# Altium PCB AVR64DA64-BREAKOUT.PcbDoc (part 2 of 4) (continued)
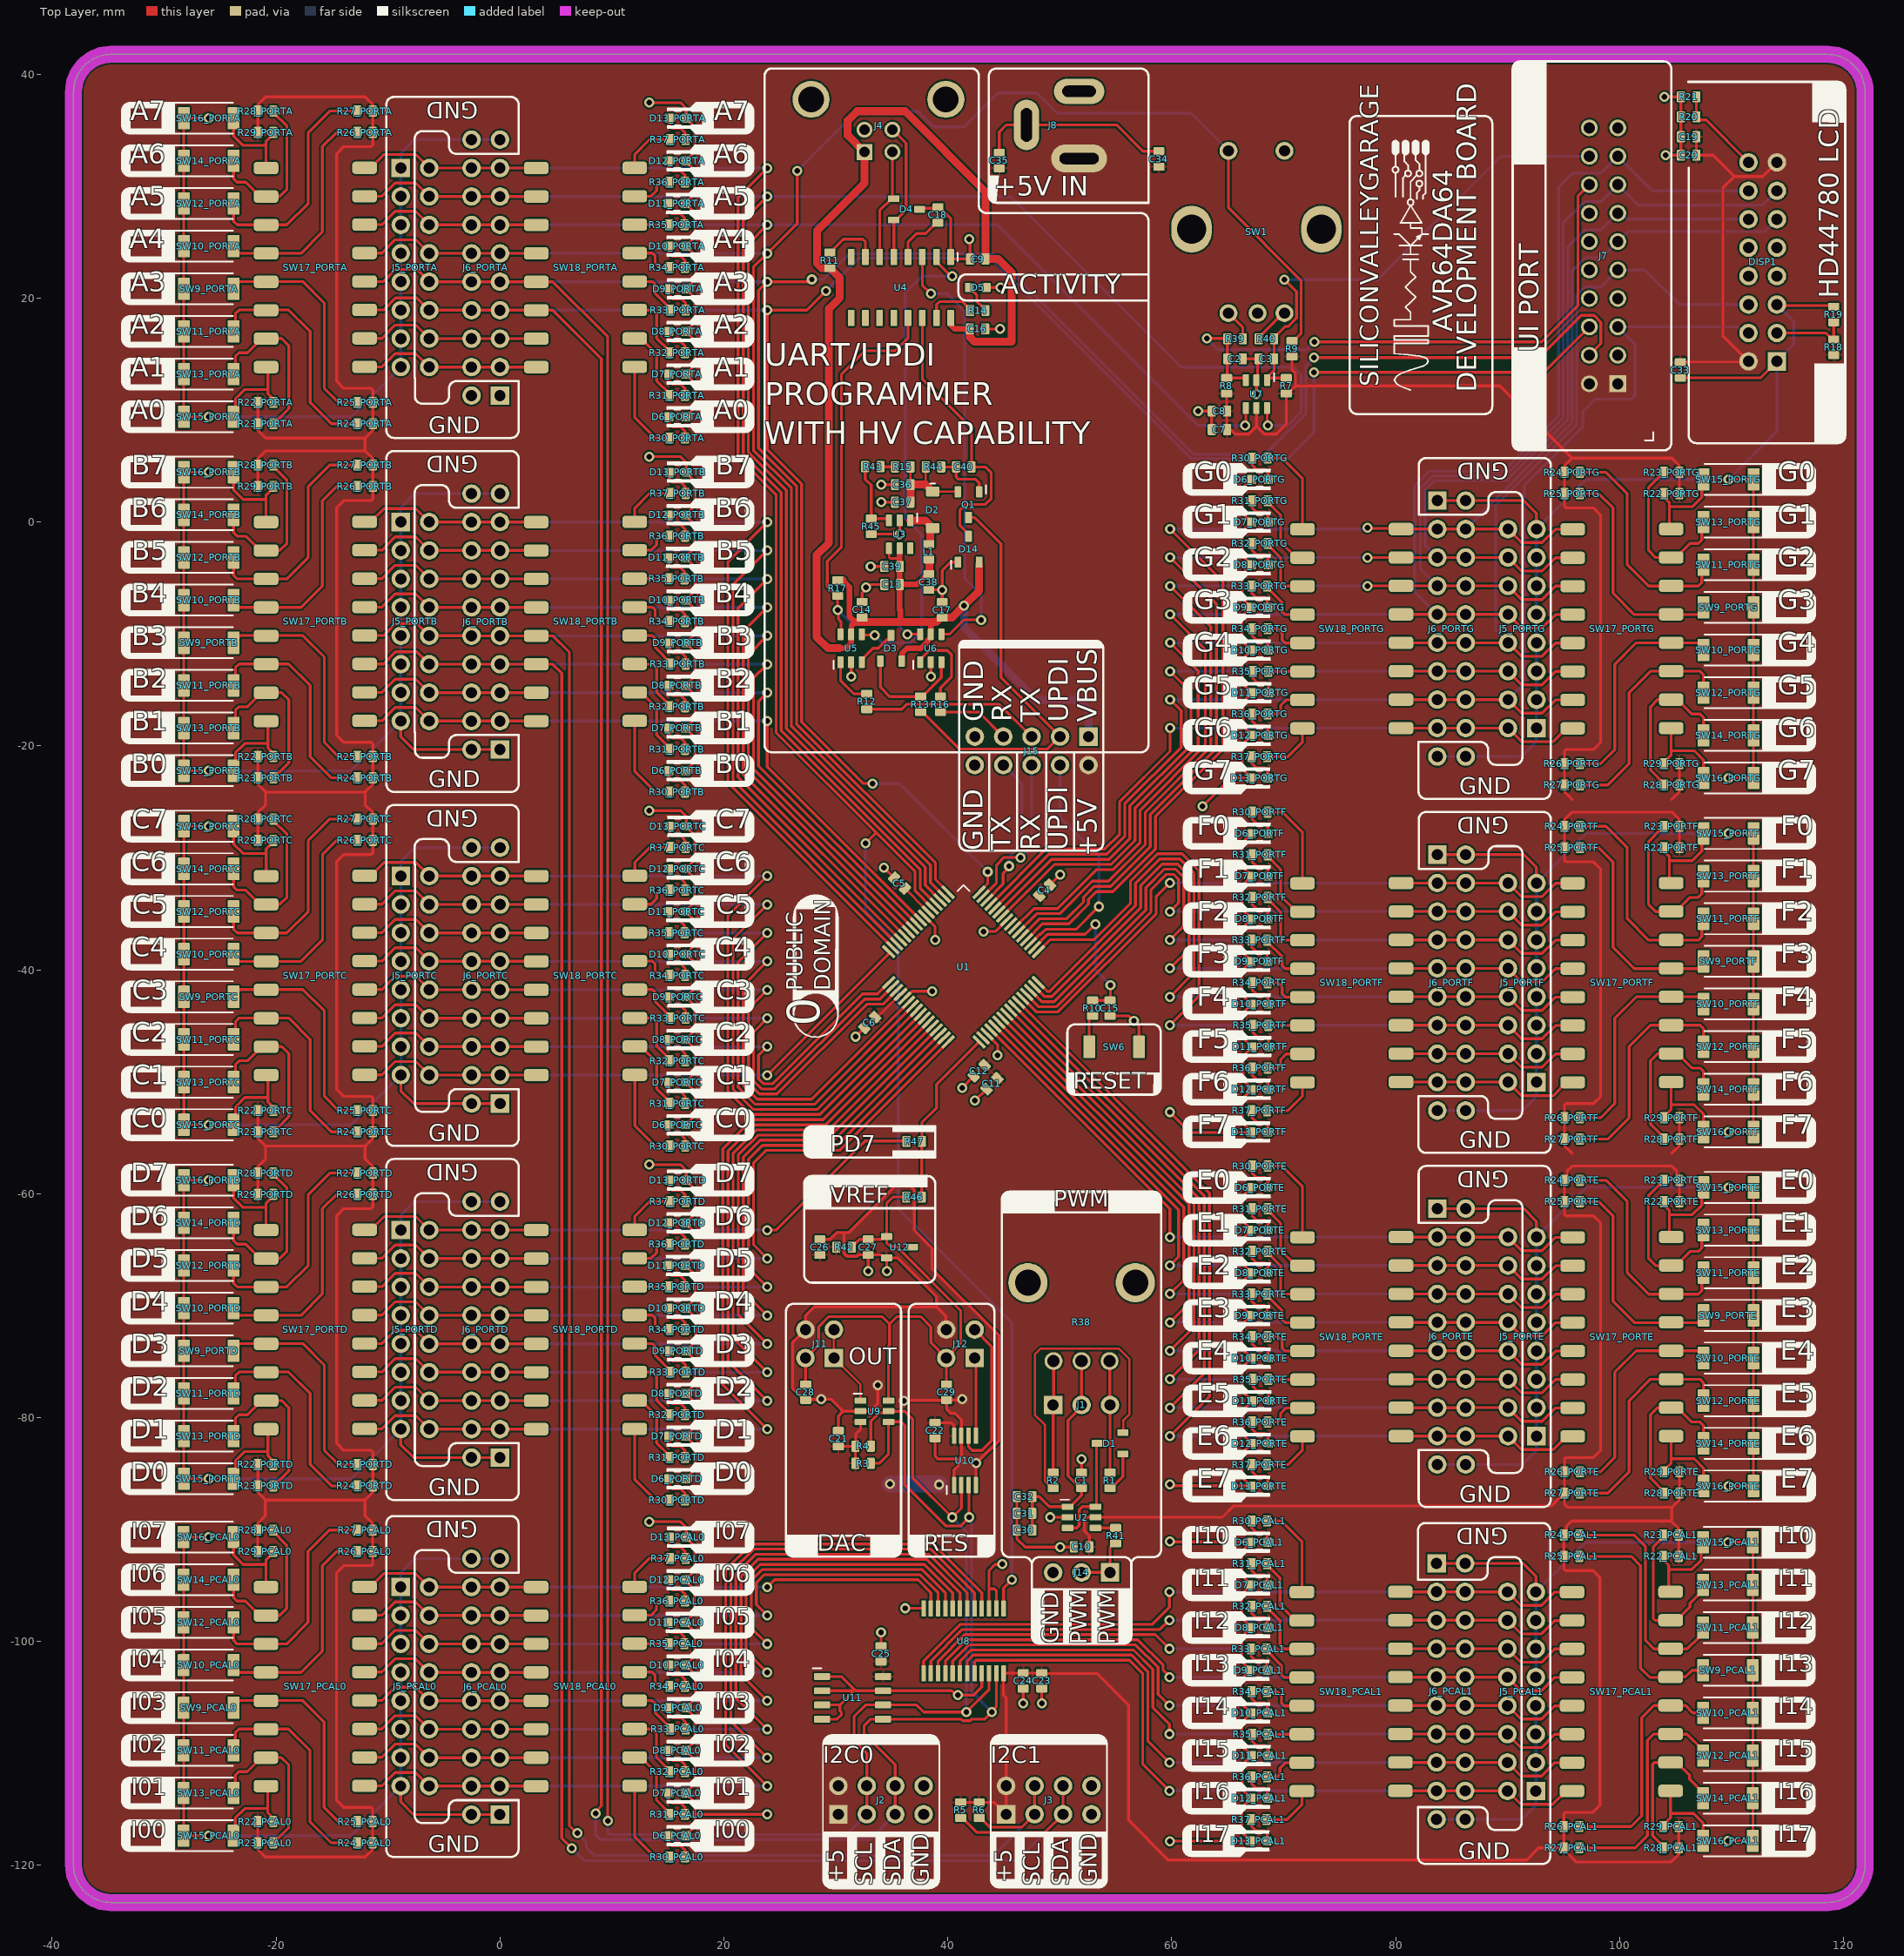
[diagram p0: Top Layer view]
## Nets (pads, with @x,y where several pads share a name; then routed paths per layer and width w, separated by ;. In a path a pad name is that pad's centre, name@x,y a point inside that pad or via, vN(x,y) a via of type N, cw(c..) or ccw(c..) an arc to the next point about the centre after c; other vN are vias at no path point) (continued)
GND: C1.2 C2.2 C3.2 C4.2 C5.2 C6.2 C7.2 C8.2 C9.2 C10.2 C11.2 C12.2 C13.2 C14.2 C15.1 C16.2 C17.2 C18.2 C19.2 C20.2 C21.2 C22.2 C23.2 C24.2 C25.2 C26.2 C27.2 C28.1 C29.2 C30.2 C31.2 C32.2 C33.2 C34.2 C35.2 C36.2 C37.2 C38.2 C39.2 D4.3 D5.1 D6_PCAL0.1 D6_PCAL1.1 D6_PORTA.1 D6_PORTB.1 D6_PORTC.1 D6_PORTD.1 D6_PORTE.1 D6_PORTF.1 D6_PORTG.1 D7_PCAL0.1 D7_PCAL1.1 D7_PORTA.1 D7_PORTB.1 D7_PORTC.1 D7_PORTD.1 D7_PORTE.1 D7_PORTF.1 D7_PORTG.1 D8_PCAL0.1 D8_PCAL1.1 D8_PORTA.1 D8_PORTB.1 D8_PORTC.1 D8_PORTD.1 D8_PORTE.1 D8_PORTF.1 D8_PORTG.1 D9_PCAL0.1 D9_PCAL1.1 D9_PORTA.1 D9_PORTB.1 D9_PORTC.1 D9_PORTD.1 D9_PORTE.1 D9_PORTF.1 D9_PORTG.1 D10_PCAL0.1 D10_PCAL1.1 D10_PORTA.1 D10_PORTB.1 D10_PORTC.1 D10_PORTD.1 D10_PORTE.1 D10_PORTF.1 D10_PORTG.1 D11_PCAL0.1 D11_PCAL1.1 D11_PORTA.1 D11_PORTB.1 D11_PORTC.1 D11_PORTD.1 D11_PORTE.1 D11_PORTF.1 D11_PORTG.1 D12_PCAL0.1 D12_PCAL1.1 D12_PORTA.1 D12_PORTB.1 D12_PORTC.1 D12_PORTD.1 D12_PORTE.1 D12_PORTF.1 D12_PORTG.1 D13_PCAL0.1 D13_PCAL1.1 D13_PORTA.1 D13_PORTB.1 D13_PORTC.1 D13_PORTD.1 D13_PORTE.1 D13_PORTF.1 D13_PORTG.1 D14.1 DISP1.1 DISP1.5 J2.7 J2.8 J3.7 J3.8 J4.4 J4.SH1 J4.SH2 J5_PCAL0.1 J5_PCAL0.3 J5_PCAL0.5 J5_PCAL0.7 J5_PCAL0.9 J5_PCAL0.11 J5_PCAL0.13 J5_PCAL0.15 J5_PCAL1.1 J5_PCAL1.3 J5_PCAL1.5 J5_PCAL1.7 J5_PCAL1.9 J5_PCAL1.11 J5_PCAL1.13 J5_PCAL1.15 J5_PORTA.1 J5_PORTA.3 J5_PORTA.5 J5_PORTA.7 J5_PORTA.9 J5_PORTA.11 J5_PORTA.13 J5_PORTA.15 J5_PORTB.1 J5_PORTB.3 J5_PORTB.5 J5_PORTB.7 J5_PORTB.9 J5_PORTB.11 J5_PORTB.13 J5_PORTB.15 J5_PORTC.1 J5_PORTC.3 J5_PORTC.5 J5_PORTC.7 J5_PORTC.9 J5_PORTC.11 J5_PORTC.13 J5_PORTC.15 J5_PORTD.1 J5_PORTD.3 J5_PORTD.5 J5_PORTD.7 J5_PORTD.9 J5_PORTD.11 J5_PORTD.13 J5_PORTD.15 J5_PORTE.1 J5_PORTE.3 J5_PORTE.5 J5_PORTE.7 J5_PORTE.9 J5_PORTE.11 J5_PORTE.13 J5_PORTE.15 J5_PORTF.1 J5_PORTF.3 J5_PORTF.5 J5_PORTF.7 J5_PORTF.9 J5_PORTF.11 J5_PORTF.13 J5_PORTF.15 J5_PORTG.1 J5_PORTG.3 J5_PORTG.5 J5_PORTG.7 J5_PORTG.9 J5_PORTG.11 J5_PORTG.13 J5_PORTG.15 J6_PCAL0.1 J6_PCAL0.2 J6_PCAL0.19 J6_PCAL0.20 J6_PCAL1.1 J6_PCAL1.2 J6_PCAL1.19 J6_PCAL1.20 J6_PORTA.1 J6_PORTA.2 J6_PORTA.19 J6_PORTA.20 J6_PORTB.1 J6_PORTB.2 J6_PORTB.19 J6_PORTB.20 J6_PORTC.1 J6_PORTC.2 J6_PORTC.19 J6_PORTC.20 J6_PORTD.1 J6_PORTD.2 J6_PORTD.19 J6_PORTD.20 J6_PORTE.1 J6_PORTE.2 J6_PORTE.19 J6_PORTE.20 J6_PORTF.1 J6_PORTF.2 J6_PORTF.19 J6_PORTF.20 J6_PORTG.1 J6_PORTG.2 J6_PORTG.19 J6_PORTG.20 J7.19 J7.20 J8.2 J8.3 J11.4 J12.4 J14.3 J15.9 J15.10 R19.1 R20.1 R21.1 R45.1 SW1.2 SW1.C SW6.1 SW9_PCAL0.1 SW9_PCAL1.1 SW9_PORTA.1 SW9_PORTB.1 SW9_PORTC.1 SW9_PORTD.1 SW9_PORTE.1 SW9_PORTF.1 SW9_PORTG.1 SW10_PCAL0.2 SW10_PCAL1.2 SW10_PORTA.2 SW10_PORTB.2 SW10_PORTC.2 SW10_PORTD.2 SW10_PORTE.2 SW10_PORTF.2 SW10_PORTG.2 SW11_PCAL0.1 SW11_PCAL1.1 SW11_PORTA.1 SW11_PORTB.1 SW11_PORTC.1 SW11_PORTD.1 SW11_PORTE.1 SW11_PORTF.1 SW11_PORTG.1 SW12_PCAL0.2 SW12_PCAL1.2 SW12_PORTA.2 SW12_PORTB.2 SW12_PORTC.2 SW12_PORTD.2 SW12_PORTE.2 SW12_PORTF.2 SW12_PORTG.2 SW13_PCAL0.1 SW13_PCAL1.1 SW13_PORTA.1 SW13_PORTB.1 SW13_PORTC.1 SW13_PORTD.1 SW13_PORTE.1 SW13_PORTF.1 SW13_PORTG.1 SW14_PCAL0.2 SW14_PCAL1.2 SW14_PORTA.2 SW14_PORTB.2 SW14_PORTC.2 SW14_PORTD.2 SW14_PORTE.2 SW14_PORTF.2 SW14_PORTG.2 SW15_PCAL0.1 SW15_PCAL1.1 SW15_PORTA.1 SW15_PORTB.1 SW15_PORTC.1 SW15_PORTD.1 SW15_PORTE.1 SW15_PORTF.1 SW15_PORTG.1 SW16_PCAL0.2 SW16_PCAL1.2 SW16_PORTA.2 SW16_PORTB.2 SW16_PORTC.2 SW16_PORTD.2 SW16_PORTE.2 SW16_PORTF.2 SW16_PORTG.2 U1.7 U1.21 U1.35 U1.57 U2.2 U3.2 U4.1 U5.2 U6.2 U7.2 U8.2 U8.3 U8.12 U8.21 U9.2 U10.1 U10.4 U10.7 U11.1 U11.2 U11.3 U11.4 U11.7 U12.2 | length 1417.6
  Top Layer w0.254: v1(-26.031,-117.348) SW15_PCAL0.1@-28.256,-117.348 SW13_PCAL0.1@-28.256,-113.538 SW11_PCAL0.1@-28.256,-109.728 SW9_PCAL0.1@-28.256,-105.918 SW16_PCAL0.2@-28.256,-90.678 v1(-26.031,-90.678) ; v1(-26.019,-85.459) SW15_PORTD.1@-28.244,-85.459 SW13_PORTD.1@-28.244,-81.649 SW11_PORTD.1@-28.244,-77.839 SW9_PORTD.1@-28.244,-74.029 SW16_PORTD.2@-28.244,-58.789 v1(-26.019,-58.789) ; v1(-26.019,-22.213) SW15_PORTB.1@-28.244,-22.213 SW13_PORTB.1@-28.244,-18.403 SW11_PORTB.1@-28.244,-14.593 SW9_PORTB.1@-28.244,-10.783 SW16_PORTB.2@-28.244,4.457 v1(-26.019,4.457) ; v1(-26.019,9.41) SW15_PORTA.1@-28.244,9.41 SW13_PORTA.1@-28.244,13.22 SW11_PORTA.1@-28.244,17.03 SW9_PORTA.1@-28.244,20.84 SW16_PORTA.2@-28.244,36.08 v1(-26.019,36.08) ; v1(-26.015,-53.836) SW15_PORTC.1@-28.24,-53.836 SW13_PORTC.1@-28.24,-50.026 SW11_PORTC.1@-28.24,-46.216 SW9_PORTC.1@-28.24,-42.406 SW16_PORTC.2@-28.24,-27.166 v1(-26.015,-27.166) ; J5_PCAL0.15@-8.874,-112.91 -8.874,-114.312 -7.731,-115.455 J6_PCAL0.2@-2.552,-115.455 J6_PCAL0.1@-0.012,-115.455 ; J5_PORTD.15@-8.862,-81.021 -8.862,-82.423 -7.719,-83.566 J6_PORTD.2@-2.54,-83.566 J6_PORTD.1@0,-83.566 ; J5_PORTB.15@-8.862,-17.775 -8.862,-19.177 -7.719,-20.32 J6_PORTB.2@-2.54,-20.32 J6_PORTB.1@0,-20.32 ; J5_PORTC.15@-8.858,-49.398 -8.858,-50.8 -7.715,-51.943 J6_PORTC.2@-2.536,-51.943 J6_PORTC.1@0.004,-51.943 ; v1(13.323,-89.293) 16.117,-89.293 16.629,-89.805 D13_PCAL0.1@16.629,-90.678 ; v1(13.335,-57.404) 16.129,-57.404 16.641,-57.916 D13_PORTD.1@16.641,-58.789 ; v1(13.335,5.842) 16.129,5.842 16.641,5.33 D13_PORTB.1@16.641,4.457 ; v1(13.335,37.465) 16.129,37.465 16.641,36.953 D13_PORTA.1@16.641,36.08 ; v1(13.339,-25.781) 16.133,-25.781 16.645,-26.293 D13_PORTC.1@16.645,-27.166 ; D11_PCAL0.1@16.519,-98.298 17.348,-97.469 17.348,-95.317 D12_PCAL0.1@16.519,-94.488 ; D11_PORTD.1@16.531,-66.409 17.36,-65.58 17.36,-63.428 D12_PORTD.1@16.531,-62.599 ; D11_PORTB.1@16.531,-3.163 17.36,-2.334 17.36,-0.182 D12_PORTB.1@16.531,0.647 ; D11_PORTA.1@16.531,28.46 17.36,29.289 17.36,31.441 D12_PORTA.1@16.531,32.27 ; D11_PORTC.1@16.535,-34.786 17.364,-33.957 17.364,-31.805 D12_PORTC.1@16.535,-30.976 ; D6_PCAL0.1@16.574,-117.348 17.403,-116.519 17.403,-115.443 ; D9_PCAL0.1@16.574,-105.918 17.403,-106.747 17.403,-108.899 D8_PCAL0.1@16.574,-109.728 17.403,-110.557 17.403,-112.709 D7_PCAL0.1@16.574,-113.538 17.403,-114.367 17.403,-115.443 ; D10_PCAL0.1@16.574,-102.108 17.403,-101.279 17.403,-99.127 D11_PCAL0.1@16.574,-98.298 ; D12_PCAL0.1@16.574,-94.488 17.403,-93.659 17.403,-91.507 D13_PCAL0.1@16.574,-90.678 ; D6_PORTD.1@16.586,-85.459 17.415,-84.63 17.415,-82.478 D7_PORTD.1@16.586,-81.649 17.415,-80.82 17.415,-78.668 D8_PORTD.1@16.586,-77.839 17.415,-77.01 17.415,-74.858 D9_PORTD.1@16.586,-74.029 ; D10_PORTD.1@16.586,-70.219 17.415,-69.39 17.415,-67.238 D11_PORTD.1@16.586,-66.409 ; D12_PORTD.1@16.586,-62.599 17.415,-61.77 17.415,-59.618 D13_PORTD.1@16.586,-58.789 ; D6_PORTB.1@16.586,-22.213 17.415,-21.384 17.415,-19.232 D7_PORTB.1@16.586,-18.403 17.415,-17.574 17.415,-15.422 D8_PORTB.1@16.586,-14.593 17.415,-13.764 17.415,-11.612 D9_PORTB.1@16.586,-10.783 ; D10_PORTB.1@16.586,-6.973 17.415,-6.144 17.415,-3.992 D11_PORTB.1@16.586,-3.163 ; D12_PORTB.1@16.586,0.647 17.415,1.476 17.415,3.628 D13_PORTB.1@16.586,4.457 ; D6_PORTA.1@16.586,9.41 17.415,10.239 17.415,12.391 D7_PORTA.1@16.586,13.22 17.415,14.049 17.415,16.201 D8_PORTA.1@16.586,17.03 17.415,17.859 17.415,20.011 D9_PORTA.1@16.586,20.84 ; D10_PORTA.1@16.586,24.65 17.415,25.479 17.415,27.631 D11_PORTA.1@16.586,28.46 ; D12_PORTA.1@16.586,32.27 17.415,33.099 17.415,35.251 D13_PORTA.1@16.586,36.08 ; D6_PORTC.1@16.59,-53.836 17.419,-53.007 17.419,-50.855 D7_PORTC.1@16.59,-50.026 17.419,-49.197 17.419,-47.045 D8_PORTC.1@16.59,-46.216 17.419,-45.387 17.419,-43.235 D9_PORTC.1@16.59,-42.406 ; D10_PORTC.1@16.59,-38.596 17.419,-37.767 17.419,-35.615 D11_PORTC.1@16.59,-34.786 ; D12_PORTC.1@16.59,-30.976 17.419,-30.147 17.419,-27.995 D13_PORTC.1@16.59,-27.166 ; D9_PCAL0.1@16.629,-105.918 17.458,-105.089 17.458,-102.937 D10_PCAL0.1@16.629,-102.108 ; D9_PORTD.1@16.641,-74.029 17.47,-73.2 17.47,-71.048 D10_PORTD.1@16.641,-70.219 ; D9_PORTB.1@16.641,-10.783 17.47,-9.954 17.47,-7.802 D10_PORTB.1@16.641,-6.973 ; D9_PORTA.1@16.641,20.84 17.47,21.669 17.47,23.821 D10_PORTA.1@16.641,24.65 ; D9_PORTC.1@16.645,-42.406 17.474,-41.577 17.474,-39.425 D10_PORTC.1@16.645,-38.596 ; v1(23.876,-115.443) 17.403,-115.443 ; C26.2@28.575,-64.08 29.451,-64.08 30.055,-63.476 30.734,-63.476 ; U11.4@28.771,-106.934 30.099,-106.934 30.502,-106.531 30.502,-106.321 30.361,-106.18 30.361,-105.664 ; U11.3@28.771,-105.664 30.361,-105.664 ; U11.2@28.771,-104.394 31.496,-104.394 ; U11.1@28.771,-103.124 30.48,-103.124 31.604,-104.248 ; C21.2@30.225,-81.185 30.225,-79.85 30.65,-79.425 ; v1(31.362,-13.811) 31.362,-13.557 31.366,-13.553 U5.2@31.366,-12.521 ; v1(31.75,-45.974) C6.2@32.532,-45.192 ; C14.2@32.35,-7.135 32.35,-6.322 32.7,-5.972 v1(32.7,-5.85) 32.875,-5.85 33.15,-5.575 C13.2@34.335,-5.575 ; v1(32.893,-66.929) C27.2@32.893,-65.46 ; R45.1@33.15,-1.065 R45.1@33.285,-1.065 ; v1@33.25,-3.975 C39.2@34.335,-3.975 34.335,-3.84 C39.2@34.102,-3.607 ; R45.1@33.518,-1.298 R45.1@33.285,-1.065 ; v1(33.75,-77.1) 33.857,-77.207 33.857,-77.418 33.75,-77.525 33.75,-78.725 33.05,-79.425 U9.2@32.2,-79.425 30.65,-79.425 ; C25.2@34.036,-100.522 C25.2@34.036,-100.402 v1(34.036,-99.18) ; v1(34.05,1.775) 34.2,1.775 C37.2@35.285,1.775 ; v1@34.2,3.35 C36.2@35.285,3.35 ; v1(34.29,-30.861) C5.2@35.199,-31.77 ; v1@34.598,-66.929 v1(34.544,-66.929) 34.568,-66.905 34.568,-66.499 34.537,-66.468 U12.2@34.537,-65.724 ; U3.2@35.7,0.15 35.7,-0.876 35.501,-1.075 34.55,-1.075 34.54,-1.065 R45.1@33.285,-1.065 ; v1(36.075,-78.5) 36.118,-78.457 39.835,-78.457 C29.2@39.878,-78.414 ; U1.21@36.138,-42.544 36.166,-42.544 36.8,-41.91 v1(38.608,-41.91) ; v1(36.195,-97.028) 37.81,-97.028 U8.12@37.831,-97.049 ; D4.3@37.472,27.94 37.563,28.031 39.025,28.031 C18.2@39.116,28.122 39.251,28.122 40.259,27.114 U4.1@40.259,23.68 40.259,23.668 40.432,23.495 C9.2@41.982,23.495 41.982,25.201 v1(41.91,25.273) ; U1.7@37.906,-35.19 38.862,-36.146 v1(38.862,-37.338) ; C38.2@38.3,-6.04 38.312,-6.052 39.482,-6.052 v1(39.494,-6.064) ; v1(38.474,-13.811) 38.474,-13.684 38.478,-13.68 U6.2@38.478,-12.521 ; C22.2@38.862,-81.843 38.862,-83.439 39.116,-83.693 40.767,-83.693 41.148,-84.074 ; C17.2@39.49,-7.152 39.49,-6.068 v1(39.494,-6.064) ; J12.4@39.857,-72.133 39.812,-72.088 39.812,-70.927 38.989,-70.104 ; U10.1@40.554,-86.02 40.554,-84.668 41.148,-84.074 ; D14.1@40.9,-3.575 40.25,-3.575 39.494,-4.331 v1(39.494,-6.064) ; v1(41.275,-78.359) 41.22,-78.414 C29.2@39.878,-78.414 ; v1(41.275,-50.546) C12.2@42.311,-49.51 ; v1(42.418,-51.689) C11.2@43.454,-50.653 ; U10.4@42.504,-86.02 42.504,-84.115 v1(42.545,-84.074) ; U8.21@43.031,-102.849 43.031,-104.035 42.291,-104.775 v1(40.894,-104.775) 40.719,-104.775 40.338,-104.394 U11.7@34.221,-104.394 31.75,-104.394 31.604,-104.248 ; v1(43.18,-36.576) 44.227,-36.576 U1.57@45.26,-35.544 ; C16.2@43.34,17.25 v1(44.682,17.25) ; D5.1@43.422,20.955 v1(44.704,20.955) ; U1.35@43.492,-45.726 44.45,-46.684 v1(44.45,-47.625) ; U8.3@43.681,-97.049 43.681,-95.347 ; U8.2@44.331,-97.049 44.331,-95.456 44.175,-95.3 43.727,-95.3 43.681,-95.347 ; C35.2@44.6,32.99 44.6,34.85 45.225,35.475 J8.3@47.025,35.475 55.075,35.475 57.435,33.115 C34.2@58.85,33.115 ; v1(44.85,-93.075) 44.8,-93.125 44.2,-93.125 43.681,-93.644 43.681,-95.347 ; C32.2@46.16,-87.05 C31.2@46.16,-88.55 46.16,-90.81 46.917,-91.567 v1(50.038,-91.567) 51.224,-91.567 C10.2@51.253,-91.538 ; v1(46.732,-105.537) C24.2@46.732,-104.195 ; v1(48.387,-105.537) C23.2@48.387,-104.195 ; C4.2@49.129,-32.405 v1(50.038,-31.496) ; v1(49.149,-88.9) U2.2@50.693,-88.9 ; C1.2@51.943,-84.908 v1(51.943,-83.693) ; C15.1@54.479,-44.117 56.167,-44.117 v1(56.621,-44.571) 57.075,-45.025 SW6.1@57.075,-46.875 ; v1(59.817,-117.856) 59.847,-117.826 66.987,-117.826 D13_PCAL1.1@67.017,-117.796 ; v1(59.817,-91.059) 59.851,-91.093 67.038,-91.093 D6_PCAL1.1@67.072,-91.126 66.44,-91.758 66.243,-91.955 66.243,-94.107 D7_PCAL1.1@67.072,-94.936 66.243,-95.765 66.243,-97.917 D8_PCAL1.1@67.072,-98.746 66.243,-99.575 66.243,-101.727 66.243,-101.782 66.989,-102.528 D9_PCAL1.1@67.044,-102.528 ; v1(59.817,-85.979) 59.926,-86.088 67.054,-86.088 D13_PORTE.1@67.072,-86.106 ; v1(59.817,-52.705) 61.645,-54.533 D13_PORTF.1@66.967,-54.533 ; v1(62.35,9.906) C8.2@63.572,9.906 C7.2@63.572,8.255 ; v1(62.738,-25.4) 65.278,-22.86 D13_PORTG.1@67.072,-22.86 ; C2.2@66.349,14.585 C3.2@67.763,14.585 67.664,14.485 67.664,12.779 U7.2@67.564,12.68 v1(67.564,11.43) ; D13_PORTF.1@66.799,-54.811 66.799,-54.756 D13_PORTF.1@67.072,-54.483 67.127,-54.483 66.298,-53.654 66.298,-51.502 D12_PORTF.1@67.127,-50.673 ; D9_PCAL1.1@67.017,-102.556 66.188,-103.385 66.188,-105.537 66.479,-105.829 66.534,-105.829 67.044,-106.338 67.044,-106.394 66.44,-106.998 66.243,-107.195 66.243,-109.347 66.534,-109.639 66.589,-109.639 67.099,-110.149 67.099,-110.204 66.495,-110.808 66.298,-111.005 66.298,-113.212 67.044,-113.958 D12_PCAL1.1@67.099,-113.958 ; D13_PCAL1.1@67.044,-117.768 66.989,-117.768 66.243,-117.022 66.243,-114.815 D12_PCAL1.1@67.072,-113.986 ; D9_PORTE.1@67.072,-70.866 66.243,-71.695 66.243,-73.847 66.534,-74.139 66.589,-74.139 67.099,-74.649 67.099,-74.704 66.495,-75.308 66.298,-75.505 66.298,-77.657 66.589,-77.949 66.644,-77.949 67.154,-78.459 67.154,-78.514 66.55,-79.118 66.353,-79.315 66.353,-81.522 67.099,-82.268 D12_PORTE.1@67.154,-82.268 ; D10_PORTF.1@67.072,-43.053 66.243,-42.224 66.243,-40.072 D9_PORTF.1@67.072,-39.243 ; D10_PORTG.1@67.072,-11.43 66.243,-10.601 66.243,-8.449 D9_PORTG.1@67.072,-7.62 ; D13_PORTE.1@67.099,-86.079 67.044,-86.079 66.298,-85.332 66.298,-83.125 D12_PORTE.1@67.127,-82.296 ; D9_PORTE.1@67.099,-70.838 67.044,-70.838 66.298,-70.092 66.298,-67.885 D8_PORTE.1@67.127,-67.056 66.298,-66.227 66.298,-64.075 D7_PORTE.1@67.127,-63.246 66.298,-62.417 66.298,-60.265 D6_PORTE.1@67.127,-59.436 ; D11_PORTF.1@67.127,-46.863 66.298,-46.034 66.298,-43.882 D10_PORTF.1@67.127,-43.053 ; D9_PORTF.1@67.127,-39.243 66.298,-38.414 66.298,-36.262 D8_PORTF.1@67.127,-35.433 66.298,-34.604 66.298,-32.452 D7_PORTF.1@67.127,-31.623 66.298,-30.794 66.298,-28.642 D6_PORTF.1@67.127,-27.813 ; D13_PORTG.1@67.127,-22.86 66.298,-22.031 66.298,-19.879 D12_PORTG.1@67.127,-19.05 ; D11_PORTG.1@67.127,-15.24 66.298,-14.411 66.298,-12.259 D10_PORTG.1@67.127,-11.43 ; D9_PORTG.1@67.127,-7.62 66.298,-6.791 66.298,-4.639 D8_PORTG.1@67.127,-3.81 66.298,-2.981 66.298,-0.829 D7_PORTG.1@67.127,0 66.298,0.829 66.298,2.981 D6_PORTG.1@67.127,3.81 ; D12_PORTF.1@67.182,-50.673 66.353,-49.844 66.353,-47.692 D11_PORTF.1@67.182,-46.863 ; D12_PORTG.1@67.182,-19.05 66.353,-18.221 66.353,-16.069 D11_PORTG.1@67.182,-15.24 ; J6_PCAL1.1@83.658,-93.019 J6_PCAL1.2@86.198,-93.019 91.377,-93.019 92.52,-94.162 J5_PCAL1.15@92.52,-95.564 ; J6_PORTE.1@83.713,-61.329 J6_PORTE.2@86.253,-61.329 91.432,-61.329 92.575,-62.472 J5_PORTE.15@92.575,-63.874 ; J6_PORTF.1@83.713,-29.706 J6_PORTF.2@86.253,-29.706 91.432,-29.706 92.575,-30.849 J5_PORTF.15@92.575,-32.251 ; J6_PORTG.1@83.713,1.917 J6_PORTG.2@86.253,1.917 91.432,1.917 92.575,0.774 J5_PORTG.15@92.575,-0.628 ; v1(104.013,37.973) R21.1@105.482,37.973 C20.2@105.482,32.766 ; v1(104.123,32.766) C20.2@105.482,32.766 ; C33.2@105.425,12.885 112.585,12.885 DISP1.1@114.05,14.35 ; C20.2@105.592,32.766 C20.2@105.482,32.766 ; v1(109.677,-117.796) SW16_PCAL1.2@111.902,-117.796 SW9_PCAL1.1@111.902,-102.556 SW11_PCAL1.1@111.902,-98.746 SW13_PCAL1.1@111.902,-94.936 SW15_PCAL1.1@111.902,-91.126 v1(109.677,-91.126) ; v1(109.732,-86.106) SW16_PORTE.2@111.957,-86.106 SW9_PORTE.1@111.957,-70.866 SW11_PORTE.1@111.957,-67.056 SW13_PORTE.1@111.957,-63.246 SW15_PORTE.1@111.957,-59.436 v1(109.732,-59.436) ; v1(109.732,-54.483) SW16_PORTF.2@111.957,-54.483 SW9_PORTF.1@111.957,-39.243 SW11_PORTF.1@111.957,-35.433 SW13_PORTF.1@111.957,-31.623 SW15_PORTF.1@111.957,-27.813 v1(109.732,-27.813) ; v1(109.732,-22.86) SW16_PORTG.2@111.957,-22.86 SW9_PORTG.1@111.957,-7.62 SW11_PORTG.1@111.957,-3.81 SW13_PORTG.1@111.957,0 SW15_PORTG.1@111.957,3.81 v1(109.732,3.81) ; DISP1.5@114.05,19.43 114.149,19.331 119.027,19.331 R19.1@119.126,19.232 ; 30.361,-105.664 31.496,-104.529 31.496,-104.394 ; 30.65,-79.425 29.584,-78.359 v1(28.702,-78.359) 28.674,-78.387 27.143,-78.387 26.129,-77.373 26.129,-73.288 J11.4@27.284,-72.133 27.284,-70.887 28.067,-70.104 38.989,-70.104 ; 30.734,-63.476 31.139,-63.476 35.306,-59.309 36.659,-59.309 37,-59.65 37,-63.275 38.608,-64.883 38.608,-66.71 44.577,-72.679 44.577,-82.042 v1(42.545,-84.074) ; 30.734,-63.476 30.734,-64.191 30.734,-65.349 30.98,-65.595 31.868,-65.595 32.003,-65.46 C27.2@32.893,-65.46 ; 31.496,-104.394 31.496,-104.357 31.604,-104.248 ; C27.2@32.893,-65.46 34.073,-65.46 34.337,-65.724 U12.2@34.537,-65.724 ; U12.2@34.537,-65.724 35.498,-65.724 38.989,-69.215 38.989,-70.104 ; C29.2@39.878,-78.414 39.878,-79.248 40.259,-79.629 40.64,-79.629 41.204,-80.193 U10.7@41.204,-81.62 41.204,-84.018 41.148,-84.074 ; 41.148,-84.074 v1(42.545,-84.074)
  Bottom Layer w0.254: v1(-26.031,-117.348) -13.313,-117.348 J5_PCAL0.15@-8.874,-112.91 J5_PCAL0.9@-8.874,-105.29 J5_PCAL0.7@-8.874,-102.75 ; v1(-26.019,-85.459) -13.301,-85.459 J5_PORTD.15@-8.862,-81.021 J5_PORTD.9@-8.862,-73.401 J5_PORTD.7@-8.862,-70.861 J5_PORTD.5@-8.862,-68.321 -8.862,-61.952 -7.616,-60.706 J6_PORTD.20@-2.54,-60.706 J6_PORTD.19@0,-60.706 ; v1(-26.019,-22.213) -13.301,-22.213 J5_PORTB.15@-8.862,-17.775 J5_PORTB.9@-8.862,-10.155 J5_PORTB.7@-8.862,-7.615 J5_PORTB.5@-8.862,-5.075 -8.862,1.294 -7.616,2.54 J6_PORTB.20@-2.54,2.54 J6_PORTB.19@0,2.54 ; v1(-26.019,9.41) -13.301,9.41 J5_PORTA.15@-8.862,13.848 J5_PORTA.9@-8.862,21.468 J5_PORTA.7@-8.862,24.008 J5_PORTA.5@-8.862,26.548 -8.862,32.917 -7.616,34.163 J6_PORTA.20@-2.54,34.163 J6_PORTA.19@0,34.163 ; v1(-26.015,-53.836) -13.297,-53.836 J5_PORTC.15@-8.858,-49.398 J5_PORTC.13@-8.858,-46.858 J5_PORTC.11@-8.858,-44.318 J5_PORTC.9@-8.858,-41.778 J5_PORTC.7@-8.858,-39.238 J5_PORTC.5@-8.858,-36.698 J5_PORTC.3@-8.858,-34.158 J5_PORTC.1@-8.858,-31.618 -8.858,-30.329 -7.612,-29.083 J6_PORTC.20@-2.536,-29.083 J6_PORTC.19@0.004,-29.083 ; J5_PCAL0.5@-8.874,-100.21 J5_PCAL0.1@-8.874,-95.13 -8.874,-93.841 -7.628,-92.595 J6_PCAL0.19@-0.012,-92.595 ; J6_PCAL1.19@83.658,-115.879 J6_PCAL1.20@86.198,-115.879 91.274,-115.879 92.52,-114.633 J5_PCAL1.5@92.52,-108.264 J5_PCAL1.7@92.52,-105.724 J5_PCAL1.9@92.52,-103.184 J5_PCAL1.11@92.52,-100.644 J5_PCAL1.15@92.52,-95.564 96.958,-91.126 v1(109.677,-91.126) ; J6_PORTE.19@83.713,-84.189 J6_PORTE.20@86.253,-84.189 91.329,-84.189 92.575,-82.943 J5_PORTE.1@92.575,-81.654 J5_PORTE.3@92.575,-79.114 J5_PORTE.5@92.575,-76.574 J5_PORTE.7@92.575,-74.034 J5_PORTE.9@92.575,-71.494 J5_PORTE.11@92.575,-68.954 J5_PORTE.13@92.575,-66.414 J5_PORTE.15@92.575,-63.874 97.013,-59.436 v1(109.732,-59.436) ; J6_PORTF.19@83.713,-52.566 J6_PORTF.20@86.253,-52.566 91.329,-52.566 92.575,-51.32 J5_PORTF.1@92.575,-50.031 J5_PORTF.3@92.575,-47.491 J5_PORTF.5@92.575,-44.951 J5_PORTF.7@92.575,-42.411 J5_PORTF.9@92.575,-39.871 J5_PORTF.11@92.575,-37.331 J5_PORTF.13@92.575,-34.791 J5_PORTF.15@92.575,-32.251 97.013,-27.813 v1(109.732,-27.813) ; J6_PORTG.19@83.713,-20.943 J6_PORTG.20@86.253,-20.943 91.246,-20.943 92.575,-19.614 J5_PORTG.1@92.575,-18.408 J5_PORTG.3@92.575,-15.868 J5_PORTG.5@92.575,-13.328 J5_PORTG.7@92.575,-10.788 J5_PORTG.9@92.575,-8.248 J5_PORTG.11@92.575,-5.708 J5_PORTG.13@92.575,-3.168 J5_PORTG.15@92.575,-0.628 97.013,3.81 v1(109.732,3.81) 114.05,8.128 DISP1.1@114.05,14.35 115.55,15.851 115.55,17.931 DISP1.5@114.05,19.43
  other v1: 33.1,-3.975 35.69,-1.1 34.05,3.35
IO0_PCAL0: J5_PCAL0.16 J6_PCAL0.3 J6_PCAL0.4 SW17_PCAL0.1 SW18_PCAL0.16 U8.4 | length 88.1
  Top Layer w0.254: SW17_PCAL0.1@-12.106,-112.891 -10.561,-112.891 -9.374,-111.704 -7.54,-111.704 J5_PCAL0.16@-6.334,-112.91 -6.331,-112.913 3.221,-112.913 SW18_PCAL0.16@3.224,-112.916 ; v1(23.864,-112.915) 20.156,-109.207 20.156,-93.599 22.467,-91.288 38.664,-91.288 43.031,-95.655 U8.4@43.031,-97.049
  Bottom Layer w0.254: J6_PCAL0.3@-0.012,-112.915 v1(23.864,-112.915)
IO0_PCAL1: J5_PCAL1.16 J6_PCAL1.3 J6_PCAL1.4 SW17_PCAL1.1 SW18_PCAL1.16 U8.13 | length 66.6
  Top Layer w0.254: U8.13@37.831,-102.849 37.831,-101.743 41.103,-98.471 58.247,-98.471 59.782,-96.936 v1(59.782,-95.559) ; SW18_PCAL1.16@80.422,-95.558 80.425,-95.561 89.977,-95.561 J5_PCAL1.16@89.98,-95.564 91.186,-96.77 93.02,-96.77 94.206,-95.584 SW17_PCAL1.1@95.752,-95.583
  Bottom Layer w0.254: v1(59.782,-95.559) J6_PCAL1.3@83.658,-95.559
IO0_PORTA: J5_PORTA.16 J6_PORTA.3 J6_PORTA.4 SW17_PORTA.1 SW18_PORTA.16 | length 16.3
  Top Layer w0.254: SW17_PORTA.1@-12.094,13.868 -10.549,13.868 -9.362,15.054 -7.528,15.054 J5_PORTA.16@-6.322,13.848 -6.319,13.845 3.233,13.845 SW18_PORTA.16@3.236,13.843
IO1_PCAL0: J5_PCAL0.14 J6_PCAL0.5 J6_PCAL0.6 SW17_PCAL0.2 SW18_PCAL0.15 U8.5 | length 83.8
  Top Layer w0.254: SW17_PCAL0.2@-12.106,-110.351 -10.561,-110.351 -9.374,-109.164 -7.54,-109.164 J5_PCAL0.14@-6.334,-110.37 -6.331,-110.373 3.221,-110.373 SW18_PCAL0.15@3.224,-110.376 ; v1(23.864,-110.375) 20.613,-107.124 20.613,-93.788 22.656,-91.745 38.474,-91.745 42.381,-95.651 U8.5@42.381,-97.049
  Bottom Layer w0.254: J6_PCAL0.5@-0.012,-110.375 v1(23.864,-110.375)
IO1_PCAL1: J5_PCAL1.14 J6_PCAL1.5 J6_PCAL1.6 SW17_PCAL1.2 SW18_PCAL1.15 U8.14 | length 64.1
  Top Layer w0.254: U8.14@38.481,-102.849 38.481,-101.743 41.296,-98.928 58.953,-98.928 v1(59.782,-98.099) ; SW18_PCAL1.15@80.422,-98.098 80.425,-98.101 89.977,-98.101 J5_PCAL1.14@89.98,-98.104 91.186,-99.31 93.02,-99.31 94.206,-98.123 SW17_PCAL1.2@95.752,-98.123
  Bottom Layer w0.254: v1(59.782,-98.099) J6_PCAL1.5@83.658,-98.099
IO1_PORTA: J5_PORTA.14 J6_PORTA.5 J6_PORTA.6 SW17_PORTA.2 SW18_PORTA.15 | length 16.3
  Top Layer w0.254: SW17_PORTA.2@-12.094,16.408 -10.549,16.408 -9.362,17.594 -7.528,17.594 J5_PORTA.14@-6.322,16.388 -6.319,16.385 3.233,16.385 SW18_PORTA.15@3.236,16.383
IO2_PCAL0: J5_PCAL0.12 J6_PCAL0.7 J6_PCAL0.8 SW17_PCAL0.3 SW18_PCAL0.14 U8.6 | length 79.4
  Top Layer w0.254: SW17_PCAL0.3@-12.106,-107.811 -10.561,-107.811 -9.374,-106.624 -7.54,-106.624 J5_PCAL0.12@-6.334,-107.83 -6.331,-107.833 3.221,-107.833 SW18_PCAL0.14@3.224,-107.836 ; v1(23.864,-107.835) 21.07,-105.041 21.07,-93.978 22.846,-92.202 38.285,-92.202 41.731,-95.648 U8.6@41.731,-97.049
  Bottom Layer w0.254: J6_PCAL0.7@-0.012,-107.835 v1(23.864,-107.835)
IO2_PCAL1: J5_PCAL1.12 J6_PCAL1.7 J6_PCAL1.8 SW17_PCAL1.3 SW18_PCAL1.14 U8.15 | length 63.5
  Top Layer w0.254: U8.15@39.131,-102.849 39.131,-101.743 41.489,-99.385 58.528,-99.385 v1(59.782,-100.639) ; SW18_PCAL1.14@80.422,-100.638 80.425,-100.641 89.977,-100.641 J5_PCAL1.12@89.98,-100.644 91.186,-101.85 93.02,-101.85 94.206,-100.663 SW17_PCAL1.3@95.752,-100.663
  Bottom Layer w0.254: v1(59.782,-100.639) J6_PCAL1.7@83.658,-100.639
IO3_PCAL0: J5_PCAL0.10 J6_PCAL0.9 J6_PCAL0.10 SW17_PCAL0.4 SW18_PCAL0.13 U8.7 | length 75.1
  Top Layer w0.254: SW17_PCAL0.4@-12.106,-105.271 -10.561,-105.271 -9.374,-104.084 -7.54,-104.084 J5_PCAL0.10@-6.334,-105.29 -6.331,-105.293 3.221,-105.293 SW18_PCAL0.13@3.224,-105.296 ; v1(23.864,-105.295) 21.527,-102.958 21.527,-94.167 23.035,-92.659 38.096,-92.659 41.081,-95.645 U8.7@41.081,-97.049
  Bottom Layer w0.254: J6_PCAL0.9@-0.012,-105.295 v1(23.864,-105.295)
IO3_PCAL1: J5_PCAL1.10 J6_PCAL1.9 J6_PCAL1.10 SW17_PCAL1.4 SW18_PCAL1.13 U8.16 | length 63.8
  Top Layer w0.254: U8.16@39.781,-102.849 39.781,-101.743 41.682,-99.842 56.963,-99.842 59.233,-102.112 59.233,-102.553 59.782,-103.102 v1(59.782,-103.179) ; SW18_PCAL1.13@80.422,-103.178 80.425,-103.181 89.977,-103.181 J5_PCAL1.10@89.98,-103.184 91.186,-104.39 93.02,-104.39 94.206,-103.203 SW17_PCAL1.4@95.752,-103.203
  Bottom Layer w0.254: v1(59.782,-103.179) J6_PCAL1.9@83.658,-103.179
IO4_PCAL0: J5_PCAL0.8 J6_PCAL0.11 J6_PCAL0.12 SW17_PCAL0.5 SW18_PCAL0.12 U8.8 | length 70.8
  Top Layer w0.254: SW17_PCAL0.5@-12.106,-102.731 -10.561,-102.731 -9.374,-101.544 -7.54,-101.544 J5_PCAL0.8@-6.334,-102.75 -6.331,-102.753 3.221,-102.753 SW18_PCAL0.12@3.224,-102.756 ; v1(23.864,-102.755) 21.984,-100.875 21.984,-94.356 23.224,-93.116 37.906,-93.116 40.431,-95.641 U8.8@40.431,-97.049
  Bottom Layer w0.254: J6_PCAL0.11@-0.012,-102.755 v1(23.864,-102.755)
IO4_PCAL1: J5_PCAL1.8 J6_PCAL1.11 J6_PCAL1.12 SW17_PCAL1.5 SW18_PCAL1.12 U8.17 | length 64.9
  Top Layer w0.254: U8.17@40.431,-102.849 40.431,-101.743 41.874,-100.299 56.773,-100.299 58.776,-102.302 58.776,-104.713 v1(59.782,-105.719) ; SW18_PCAL1.12@80.422,-105.718 80.425,-105.721 89.977,-105.721 J5_PCAL1.8@89.98,-105.724 91.186,-106.93 93.02,-106.93 94.206,-105.743 SW17_PCAL1.5@95.752,-105.743
  Bottom Layer w0.254: v1(59.782,-105.719) J6_PCAL1.11@83.658,-105.719
IO5_PCAL0: J5_PCAL0.6 J6_PCAL0.13 J6_PCAL0.14 SW17_PCAL0.6 SW18_PCAL0.11 U8.9 | length 66.5
  Top Layer w0.254: SW17_PCAL0.6@-12.106,-100.191 -10.561,-100.191 -9.374,-99.004 -7.54,-99.004 J5_PCAL0.6@-6.334,-100.21 -6.331,-100.213 3.221,-100.213 SW18_PCAL0.11@3.224,-100.215 ; v1(23.864,-100.215) 22.442,-98.793 22.442,-94.546 23.414,-93.574 37.717,-93.574 39.781,-95.638 U8.9@39.781,-97.049
  Bottom Layer w0.254: J6_PCAL0.13@-0.012,-100.215 v1(23.864,-100.215)
IO5_PCAL1: J5_PCAL1.6 J6_PCAL1.13 J6_PCAL1.14 SW17_PCAL1.6 SW18_PCAL1.11 U8.18 | length 66
  Top Layer w0.254: U8.18@41.081,-102.849 41.081,-101.743 42.067,-100.757 56.584,-100.757 58.318,-102.491 58.318,-105.909 59.782,-107.372 v1(59.782,-108.259) ; SW18_PCAL1.11@80.422,-108.259 80.425,-108.261 89.977,-108.261 J5_PCAL1.6@89.98,-108.264 91.186,-109.47 93.02,-109.47 94.206,-108.283 SW17_PCAL1.6@95.752,-108.283
  Bottom Layer w0.254: v1(59.782,-108.259) J6_PCAL1.13@83.658,-108.259
IO6_PCAL0: J5_PCAL0.4 J6_PCAL0.15 J6_PCAL0.16 SW17_PCAL0.7 SW18_PCAL0.10 U8.10 | length 62.1
  Top Layer w0.254: SW17_PCAL0.7@-12.106,-97.651 -10.561,-97.651 -9.374,-96.464 -7.54,-96.464 J5_PCAL0.4@-6.334,-97.67 -6.331,-97.673 3.221,-97.673 SW18_PCAL0.10@3.224,-97.676 ; v1(23.864,-97.675) 22.899,-96.71 22.899,-94.735 23.603,-94.031 37.527,-94.031 39.131,-95.634 U8.10@39.131,-97.049
  Bottom Layer w0.254: J6_PCAL0.15@-0.012,-97.675 v1(23.864,-97.675)
IO6_PCAL1: J5_PCAL1.4 J6_PCAL1.15 J6_PCAL1.16 SW17_PCAL1.7 SW18_PCAL1.10 U8.19 | length 67.2
  Top Layer w0.254: U8.19@41.731,-102.849 41.731,-101.743 42.26,-101.214 52.977,-101.214 56.394,-101.214 57.861,-102.681 57.861,-108.878 v1(59.782,-110.799) ; SW18_PCAL1.10@80.422,-110.798 80.425,-110.801 89.977,-110.801 J5_PCAL1.4@89.98,-110.804 91.186,-112.01 93.02,-112.01 94.206,-110.823 SW17_PCAL1.7@95.752,-110.823
  Bottom Layer w0.254: v1(59.782,-110.799) J6_PCAL1.15@83.658,-110.799
IO6_PORTF: J5_PORTF.4 J6_PORTF.15 J6_PORTF.16 SW17_PORTF.7 SW18_PORTF.10 | length 16.3
  Top Layer w0.254: SW18_PORTF.10@80.477,-47.485 80.48,-47.488 90.032,-47.488 J5_PORTF.4@90.035,-47.491 91.241,-48.697 93.075,-48.697 94.261,-47.51 SW17_PORTF.7@95.807,-47.51
IO7_PCAL0: J5_PCAL0.2 J6_PCAL0.17 J6_PCAL0.18 SW17_PCAL0.8 SW18_PCAL0.9 U8.11 | length 57
  Top Layer w0.254: SW17_PCAL0.8@-12.106,-95.111 -11.556,-95.111 -10.369,-93.924 -7.54,-93.924 J5_PCAL0.2@-6.334,-95.13 -6.331,-95.133 -0.012,-95.133 3.221,-95.133 SW18_PCAL0.9@3.224,-95.136 ; v1(23.864,-95.135) 24.511,-94.488 37.338,-94.488 38.481,-95.631 U8.11@38.481,-97.049
  Bottom Layer w0.254: J6_PCAL0.17@-0.012,-95.135 v1(23.864,-95.135)
IO7_PCAL1: J5_PCAL1.2 J6_PCAL1.17 J6_PCAL1.18 SW17_PCAL1.8 SW18_PCAL1.9 U8.20 | length 68.3
  Top Layer w0.254: U8.20@42.381,-102.849 42.381,-101.82 42.53,-101.671 56.205,-101.671 57.404,-102.87 57.404,-110.961 v1(59.782,-113.339) ; SW18_PCAL1.9@80.422,-113.338 80.425,-113.341 83.658,-113.341 86.198,-113.341 89.977,-113.341 J5_PCAL1.2@89.98,-113.344 91.186,-114.55 94.015,-114.55 95.202,-113.364 SW17_PCAL1.8@95.752,-113.364
  Bottom Layer w0.254: v1(59.782,-113.339) J6_PCAL1.17@83.658,-113.339
IO7_PORTF: J5_PORTF.2 J6_PORTF.17 J6_PORTF.18 SW17_PORTF.8 SW18_PORTF.9 | length 16.3
  Top Layer w0.254: SW18_PORTF.9@80.477,-50.025 80.48,-50.028 90.032,-50.028 J5_PORTF.2@90.035,-50.031 91.241,-51.237 94.07,-51.237 95.257,-50.05 SW17_PORTF.8@95.807,-50.05
LED-ILIMIT: J7.12
LED-PLIMIT: J7.14
NetC1_1: C1.1 C30.1 C31.1 C32.1 J1.2 R38.2 U2.1 | length 21.3
  Top Layer w0.254: C30.1@47.54,-90.05 C31.1@47.54,-88.55 C32.1@47.54,-87.05 48.15,-87.05 49.05,-87.95 50.943,-87.95 51.943,-86.95 C1.1@51.943,-86.288 51.808,-86.288 50.725,-85.205 50.725,-80.247 51.943,-79.029 J1.2@51.943,-78.867 R38.2@51.943,-74.945